# Allegro board 038NC-GRIFFI-V9A_16_20260429.brd

Outline 267.97 x 474.98 mm; copper layers: TOP, L02_GND, L03_SIGNAL, L04_GND, L05_SIGNAL, L06_GND, L07_SIGNAL, L08_GND, L09_PWR, L10_PWR, L11_GND, L12_PWR, L13_PWR, L14_GND, L15_USER, L16_CBIT, L17_GND, L18_PWR, L19_PWR, L20_GND, L21_PWR, L22_PWR, L23_GND, L24_SIGNAL, L25_GND, L26_SIGNAL, L27_GND, L28_SIGNAL, L29_GND, L30_SIGNAL, L31_GND, BOTTOM. Coordinates in mm from the lower left corner of the outline.

## Design rules (mm)
net group 10MILS: nets HDVI_726_10-CH6F HDVI_727_10-CH7F HDVI_734_10-CH14F HDVI_735_10-CH15F HDVI_742_10-CH22F HDVI_743_10-CH23F HDVI_758_10-CH38F HDVI_759_10-CH39F HDVI_766_10-CH46F HDVI_767_10-CH47F HDVI_774_10-CH54F HDVI_775_10-CH55F HDVI_782_10-CH62F HDVI_783_10-CH63F HDVI_790_10-CH70F HDVI_791_10-CH71F HDVI_942_13-CH6F HDVI_943_13-CH7F HDVI_950_13-CH14F HDVI_951_13-CH15F HDVI_958_13-CH22F HDVI_959_13-CH23F HDVI_974_13-CH38F HDVI_975_13-CH39F HDVI_982_13-CH46F HDVI_983_13-CH47F HDVI_990_13-CH54F HDVI_991_13-CH55F HDVI_998_13-CH62F HDVI_999_13-CH63F HDVI_1006_13-CH70F HDVI_1007_13-CH71F VI_578_8-CH2F VI_579_8-CH3F VI_580_8-CH4F VI_586_8-CH10F VI_587_8-CH11F VI_588_8-CH12F VI_594_8-CH18F VI_595_8-CH19F VI_596_8-CH20F VI_609_8-CH33F VI_610_8-CH34F VI_611_8-CH35F VI_612_8-CH36F VI_618_8-CH42F VI_619_8-CH43F VI_620_8-CH44F VI_626_8-CH50F VI_627_8-CH51F VI_628_8-CH52F VI_634_8-CH58F VI_635_8-CH59F VI_636_8-CH60F VI_642_8-CH66F VI_643_8-CH67F VI_644_8-CH68F VI_650_9-CH2F VI_652_9-CH4F VI_658_9-CH10F VI_660_9-CH12F VI_666_9-CH18F VI_668_9-CH20F VI_682_9-CH34F VI_683_9-CH35F VI_684_9-CH36F VI_690_9-CH42F VI_691_9-CH43F VI_692_9-CH44F VI_698_9-CH50F VI_699_9-CH51F VI_700_9-CH52F VI_706_9-CH58F VI_707_9-CH59F VI_714_9-CH66F VI_716_9-CH68F
net group CBIT: nets SDUCBIT15 SDUCBIT16 SDUCBIT31 SDUCBIT32 SDUCBIT47 SDUCBIT48 SDUCBIT63 SDUCBIT64 SDUCBIT79 SDUCBIT80 SDUCBIT95 SDUCBIT96 SDUCBIT111 SDUCBIT112 SDUCBIT127 SDUCBIT128

## Placement (name value [footprint] x y rotation side)
BC1  100U-50-E-S-6.6X6.6  [EC_6P3X7P7MM_S]  75.12 120.65 270 bottom
BC2  47U-100-E-S10X10-NI  [ECS_10X10MM_H10P5]  63.45 120.65 90 bottom
BC3  100U-50-E-S-6.6X6.6  [EC_6P3X7P7MM_S]  108.14 110.11 270 bottom
BC4  47U-100-E-S10X10-NI  [ECS_10X10MM_H10P5]  96.47 110.11 90 bottom
BC5  100U-50-E-S-6.6X6.6  [EC_6P3X7P7MM_S]  47.18 120.65 270 bottom
BC6  47U-100-E-S10X10-NI  [ECS_10X10MM_H10P5]  35.51 120.65 90 bottom
BC7  100U-50-E-S-6.6X6.6  [EC_6P3X7P7MM_S]  108.14 120.65 270 bottom
BC8  47U-100-E-S10X10-NI  [ECS_10X10MM_H10P5]  96.47 120.65 90 bottom
BC10  47U-100-E-S10X10-NI  [ECS_10X10MM_H10P5]  124.41 120.65 90 bottom
BC11  100U-50-E-S-6.6X6.6  [EC_6P3X7P7MM_S]  136.08 120.65 270 bottom
BC12  47U-100-E-S10X10-NI  [ECS_10X10MM_H10P5]  35.51 110.11 90 bottom
BC13  100U-50-E-S-6.6X6.6  [EC_6P3X7P7MM_S]  47.18 110.11 270 bottom
BD1  BD120-3.5A-S8-LA  [FB0805]  22.23 105.71 90 top
BD2  BD120-3.5A-S8-LA  [FB0805]  22.23 105.71 90 bottom
BR1  560-1-S6  [R0603]  71.76 110.03 270 bottom
BR2  560-1-S6  [R0603]  82.68 108.5 270 bottom
BR3  560-1-S6  [R0603]  27.31 124.25 270 bottom
BR4  1K-1-S6  [R0603]  17.15 124.25 270 bottom
C14  1U-16-X5R-S4-YA  [C0402]  126.4 112.15 90 bottom
C84  1U-16-X6S-S4-TY  [C0402]  56.49 106.51 180 bottom
C85  1U-16-X6S-S4-TY  [C0402]  56.49 103.28 180 bottom
C86  1U-16-X6S-S4-TY  [C0402]  56.49 104.88 180 bottom
C87  0.1U-10-X7R-S4-MU-1  [C0402]  58.62 104.91 0 bottom
C88  0.1U-10-X7R-S4-MU-1  [C0402]  58.62 103.28 0 bottom
C89  0.1U-10-X7R-S4-MU-1  [C0402]  56.49 101.68 180 bottom
C90  100P-50-X8R-S4-KEMET  [C0402]  58.62 101.68 0 bottom
C99  10U-35-T-SC  [CODE_C]  166.73 105.45 180 bottom
C100  10U-35-T-SC  [CODE_C]  179.71 105.04 180 bottom
C101  10U-35-T-SC  [CODE_C]  192.38 115.82 270 bottom
C102  1U-25-X7R-S6-WA  [C0603]  78.31 112.54 0 bottom
C103  1U-25-X7R-S6-WA  [C0603]  76.41 105.41 0 bottom
FD1  FD_040  [FD_040_V2]  17.15 105.41 0 top
FD2  FD_040  [FD_040_V2]  19.69 157.66 0 top
FD3  FD_040  [FD_040_V2]  19.69 320.62 0 top
FD4  FD_040  [FD_040_V2]  19.69 367.03 0 top
FD5  FD_040  [FD_040_V2]  248.29 367.03 0 top
FD6  FD_040  [FD_040_V2]  248.29 320.62 0 top
FD7  FD_040  [FD_040_V2]  248.29 157.66 0 top
FD8  FD_040  [FD_040_V2]  248.29 107.95 0 top
FD9  FD_040  [FD_040_V2]  17.15 105.41 180 bottom
FD10  FD_040  [FD_040_V2]  19.69 157.66 180 bottom
FD11  FD_040  [FD_040_V2]  19.69 320.62 180 bottom
FD12  FD_040  [FD_040_V2]  19.69 367.03 180 bottom
FD13  FD_040  [FD_040_V2]  248.29 367.03 180 bottom
FD14  FD_040  [FD_040_V2]  248.29 320.62 180 bottom
FD15  FD_040  [FD_040_V2]  248.29 157.66 180 bottom
FD16  FD_040  [FD_040_V2]  248.29 107.95 180 bottom
FUSE1  2920L200-2A-S7.98X5.44  [FUSE_2920_H45]  149.73 119.76 0 bottom
FUSE2  2920L200-2A-S7.98X5.44  [FUSE_2920_H45]  85.73 119.99 270 bottom
H1  M3-HOLE  [M3_NPTH169]  20.84 116.9 0 top
H2  M3-HOLE  [M3_NPTH169]  20.84 358.08 0 top
H3  M3-HOLE  [M3_NPTH169]  247.13 358.08 0 top
H4  M3-HOLE  [M3_NPTH169]  247.13 116.9 0 top
LOGO1  -  [LOGO_NC_NORDIC]  98.78 473.44 0 top
LOGO2  -  [LOGO_KT_KSMT]  217.98 104.48 0 top
M1  -  [PG_LTXDX_F_X1_OUTLINE_FULL_V2]  133.99 237.49 0 top
NOREF  -  []  87.79 209.51 0 top
NOREF#2  -  []  36 283.29 90 top
NOREF#3  -  []  14.99 221.49 90 top
NOREF#4  -  []  132.06 242.27 90 top
NOREF#5  -  []  102.06 230.38 90 top
NOREF#6  -  []  121.01 206.69 90 top
NOREF#7  -  []  144.63 116.76 0 top
NOREF#8  -  []  95.02 284.14 0 top
NOREF#9  -  []  38.86 301.68 90 top
NOREF#10  -  []  154.59 183.53 90 top
NOREF#11  -  []  63.19 457.2 0 top
NOREF#12  -  []  64.59 181.33 90 top
NOREF#13  -  []  109.67 332.66 90 top
NOREF#14  -  []  52.99 248.49 90 top
NOREF#15  -  []  241.39 165.7 90 top
NOREF#16  -  []  92.17 456.29 0 top
NOREF#17  -  []  89.29 267.51 45 top
NOREF#18  -  []  188.69 396.29 0 top
NOREF#19  -  []  25.97 179.68 90 top
NOREF#20  -  []  217.55 263.78 0 top
NOREF#21  -  []  147.79 209.51 0 top
NOREF#22  -  []  104.99 250.99 90 top
NOREF#23  -  []  36.61 138.32 90 top
NOREF#24  -  []  228.48 250.67 0 top
NOREF#25  -  []  64.59 242.27 90 top
NOREF#26  -  []  28.35 207.84 315 top
NOREF#27  -  []  64.59 230.38 90 top
NOREF#28  -  []  47.21 143.34 90 top
NOREF#29  -  []  15.07 251.52 0 top
NOREF#30  -  []  75.92 225.18 90 top
NOREF#31  -  []  140.74 275.74 0 top
NOREF#32  -  []  212.82 396.29 0 top
NOREF#33  -  []  122.16 115.65 0 top
NOREF#34  -  []  232.98 248.49 90 top
NOREF#35  -  []  108.48 174.1 0 top
NOREF#36  -  []  72.06 242.27 90 top
NOREF#37  -  []  143.93 225.98 0 top
NOREF#38  -  []  74.99 221.49 90 top
NOREF#39  -  []  42.06 284.94 90 top
NOREF#40  -  []  224.98 190.99 90 top
NOREF#41  -  []  222.06 165.7 90 top
NOREF#42  -  []  90.18 265.47 90 top
NOREF#43  -  []  82.73 114.89 0 top
NOREF#44  -  []  64.59 287.14 90 top
NOREF#45  -  []  121.39 292.54 0 top
NOREF#46  -  []  238.37 207.15 315 top
NOREF#47  -  []  143.93 231.38 90 top
NOREF#48  -  []  143.93 173.3 0 top
NOREF#49  -  []  166.47 288.14 90 top
NOREF#50  -  []  248.86 249.87 0 top
NOREF#51  -  []  206.96 208.69 0 top
NOREF#52  -  []  145.94 250.67 0 top
NOREF#53  -  []  194.98 221.49 90 top
NOREF#54  -  []  239.29 207.51 45 top
NOREF#55  -  []  166.47 225.98 0 top
NOREF#56  -  []  139.67 330.46 90 top
NOREF#57  -  []  154.64 389.27 90 top
NOREF#58  -  []  109.67 330.46 90 top
NOREF#59  -  []  214.59 185.73 90 top
NOREF#60  -  []  200.48 210.77 0 top
NOREF#61  -  []  135.15 107.82 90 top
NOREF#62  -  []  214.59 284.94 90 top
NOREF#63  -  []  158.86 301.68 90 top
NOREF#64  -  []  81.95 111.4 0 top
NOREF#65  -  []  38.39 193.49 45 top
NOREF#66  -  []  55.95 250.67 0 top
NOREF#67  -  []  214.59 287.14 90 top
NOREF#68  -  []  128.73 111.38 90 top
NOREF#69  -  []  117.13 303.88 90 top
NOREF#70  -  []  38.86 188.93 0 top
NOREF#71  -  []  166.47 229.18 90 top
NOREF#72  -  []  85.88 237.76 90 top
NOREF#73  -  []  112.99 188.49 90 top
NOREF#74  -  []  48.48 310.08 0 top
NOREF#75  -  []  198.36 240.62 90 top
NOREF#76  -  []  258.36 283.29 90 top
NOREF#77  -  []  188.86 292.54 0 top
NOREF#78  -  []  196.47 284.94 0 top
NOREF#79  -  []  86.96 208.69 0 top
NOREF#80  -  []  183.84 458.49 0 top
NOREF#81  -  []  221.4 296.54 90 top
NOREF#82  -  []  45.06 209.26 90 top
NOREF#83  -  []  190.47 111.76 90 top
NOREF#84  -  []  113.93 225.98 90 top
NOREF#85  -  []  194.98 193.49 90 top
NOREF#86  -  []  27.13 167.9 90 top
NOREF#87  -  []  55.88 237.76 90 top
NOREF#88  -  []  98.86 301.68 0 top
NOREF#89  -  []  28.53 300.03 90 top
NOREF#90  -  []  102.06 284.94 90 top
NOREF#91  -  []  244.59 289.34 90 top
NOREF#92  -  []  248.86 144.52 90 top
NOREF#93  -  []  41.02 174.1 0 top
NOREF#94  -  []  243.43 164.05 90 top
NOREF#95  -  []  31.4 292.54 0 top
NOREF#96  -  []  244.59 185.73 90 top
NOREF#97  -  []  113.93 284.94 90 top
NOREF#98  -  []  196.47 249.87 0 top
NOREF#99  -  []  105.06 203.86 0 top
NOREF#100  -  []  232.98 248.49 0 top
NOREF#101  -  []  149.39 269.51 0 top
NOREF#102  -  []  232.08 83.81 0 top
NOREF#103  -  []  196.47 304.88 90 top
NOREF#104  -  []  158.86 249.87 0 top
NOREF#105  -  []  38.86 139.12 90 top
NOREF#106  -  []  169.67 165.7 90 top
NOREF#107  -  []  29.15 164.9 90 top
NOREF#108  -  []  177.36 208.69 0 top
NOREF#109  -  []  177.63 268.84 0 top
NOREF#110  -  []  79.94 164.9 0 top
NOREF#111  -  []  136.47 284.94 0 top
NOREF#112  -  []  134.98 250.99 90 top
NOREF#113  -  []  23.93 225.98 0 top
NOREF#114  -  []  247.55 203.78 0 top
NOREF#115  -  []  196.47 225.98 0 top
NOREF#116  -  []  203.93 225.98 90 top
NOREF#117  -  []  55.95 293.34 0 top
NOREF#118  -  []  243.56 82.65 0 top
NOREF#119  -  []  121.39 233.58 0 top
NOREF#120  -  []  135.06 207.06 90 top
NOREF#121  -  []  23.93 290.34 90 top
NOREF#122  -  []  16.42 127.15 0 top
NOREF#123  -  []  85.94 234.38 0 top
NOREF#124  -  []  250.89 224.33 90 top
NOREF#125  -  []  82.99 286.49 0 top
NOREF#126  -  []  180.65 236.45 90 top
NOREF#127  -  []  115.97 240.62 90 top
NOREF#128  -  []  123.41 250.67 0 top
NOREF#129  -  []  151.39 301.68 0 top
NOREF#130  -  []  132.06 167.9 90 top
NOREF#131  -  []  119.29 207.51 45 top
NOREF#132  -  []  98.31 138.32 90 top
NOREF#133  -  []  113.93 249.87 0 top
NOREF#134  -  []  250.89 237.58 90 top
NOREF#135  -  []  43.9 18.69 0 top
NOREF#136  -  []  82.99 188.49 90 top
NOREF#137  -  []  158.31 300.88 90 top
NOREF#138  -  []  120.18 265.47 90 top
NOREF#139  -  []  226.47 301.68 0 top
NOREF#140  -  []  42.06 244.47 90 top
NOREF#141  -  []  147.36 268.69 0 top
NOREF#142  -  []  94.59 289.34 90 top
NOREF#143  -  []  161.4 298.06 90 top
NOREF#144  -  []  162.06 183.53 90 top
NOREF#145  -  []  252.06 170.1 90 top
NOREF#146  -  []  240.18 205.47 90 top
NOREF#147  -  []  153.43 300.03 90 top
NOREF#148  -  []  120.93 392.33 90 top
NOREF#149  -  []  124.59 230.38 90 top
NOREF#150  -  []  124.59 185.73 90 top
NOREF#151  -  []  162.06 185.73 90 top
NOREF#152  -  []  167.98 256.49 90 top
NOREF#153  -  []  244.59 244.47 90 top
NOREF#154  -  []  45.06 203.86 0 top
NOREF#155  -  []  41.4 295.64 90 top
NOREF#156  -  []  205.7 198.99 90 top
NOREF#157  -  []  128.66 177.76 90 top
NOREF#158  -  []  136.47 335.86 0 top
NOREF#159  -  []  167.98 196.49 90 top
NOREF#160  -  []  213.41 234.38 0 top
NOREF#161  -  []  211.39 188.93 0 top
NOREF#162  -  []  72.06 284.94 90 top
NOREF#163  -  []  147.13 183.53 90 top
NOREF#164  -  []  38.86 304.88 90 top
NOREF#165  -  []  240.67 176.51 90 top
NOREF#166  -  []  73.65 17.15 0 top
NOREF#167  -  []  173.93 225.98 90 top
NOREF#168  -  []  123.43 179.68 90 top
NOREF#169  -  []  76.47 225.98 0 top
NOREF#170  -  []  251.4 298.06 90 top
NOREF#171  -  []  137.98 256.49 90 top
NOREF#172  -  []  135.06 203.86 90 top
NOREF#173  -  []  188.69 456.29 90 top
NOREF#174  -  []  101.17 456.29 0 top
NOREF#175  -  []  181.39 249.87 0 top
NOREF#176  -  []  226.47 284.94 0 top
NOREF#177  -  []  205.88 237.76 90 top
NOREF#178  -  []  192.06 228.18 90 top
NOREF#179  -  []  121.16 295.41 90 top
NOREF#180  -  []  42.06 183.53 90 top
NOREF#181  -  []  183.41 234.38 0 top
NOREF#182  -  []  86.96 268.69 0 top
NOREF#183  -  []  218.39 253.49 45 top
NOREF#184  -  []  164.56 456.29 0 top
NOREF#185  -  []  165.06 209.26 90 top
NOREF#186  -  []  177.36 268.69 0 top
NOREF#187  -  []  207.36 208.69 0 top
NOREF#188  -  []  124.59 228.18 90 top
NOREF#189  -  []  111.43 16.49 0 top
NOREF#190  -  []  154.59 230.38 90 top
NOREF#191  -  []  233.93 288.14 90 top
NOREF#192  -  []  85.7 198.99 90 top
NOREF#193  -  []  188.39 253.49 45 top
NOREF#194  -  []  110.74 215.74 0 top
NOREF#195  -  []  53.93 225.98 90 top
NOREF#196  -  []  235.88 237.76 90 top
NOREF#197  -  []  228.48 174.1 0 top
NOREF#198  -  []  26.31 127.85 0 top
NOREF#199  -  []  203.93 229.18 90 top
NOREF#200  -  []  15.06 203.86 90 top
NOREF#201  -  []  91.4 188.93 0 top
NOREF#202  -  []  97.78 17.2 90 top
NOREF#203  -  []  183.41 293.34 0 top
NOREF#204  -  []  151.39 188.93 0 top
NOREF#205  -  []  23.93 188.93 0 top
NOREF#206  -  []  195.06 203.86 0 top
NOREF#207  -  []  183.43 179.68 90 top
NOREF#208  -  []  136.47 307.08 90 top
NOREF#209  -  []  91.01 206.69 90 top
NOREF#210  -  []  40.9 239.1 90 top
NOREF#211  -  []  183.41 250.67 0 top
NOREF#212  -  []  112.99 286.49 0 top
NOREF#213  -  []  42.06 167.9 90 top
NOREF#214  -  []  248.31 138.32 90 top
NOREF#215  -  []  208.65 266.87 45 top
NOREF#216  -  []  71.02 336.66 0 top
NOREF#217  -  []  102.06 165.7 90 top
NOREF#218  -  []  119.39 269.51 0 top
NOREF#219  -  []  16.47 301.68 0 top
NOREF#220  -  []  16.47 284.94 90 top
NOREF#221  -  []  106.47 301.68 90 top
NOREF#222  -  []  241.39 307.08 90 top
NOREF#223  -  []  250.89 240.62 90 top
NOREF#224  -  []  22.53 283.29 0 top
NOREF#225  -  []  53.93 288.14 90 top
NOREF#226  -  []  104.99 253.49 90 top
NOREF#227  -  []  192.06 165.7 90 top
NOREF#228  -  []  200.48 270.77 0 top
NOREF#229  -  []  29.15 164.9 0 top
NOREF#230  -  []  128.39 253.49 45 top
NOREF#231  -  []  210.18 205.47 90 top
NOREF#232  -  []  232.98 188.49 90 top
NOREF#233  -  []  170.48 210.77 0 top
NOREF#234  -  []  17.99 218.49 0 top
NOREF#235  -  []  176.71 106.64 0 top
NOREF#236  -  []  52.99 286.49 0 top
NOREF#237  -  []  22.53 251.52 0 top
NOREF#238  -  []  146.96 208.69 0 top
NOREF#239  -  []  22.53 310.93 0 top
NOREF#240  -  []  71.4 298.06 90 top
NOREF#241  -  []  76.47 225.98 90 top
NOREF#242  -  []  23.93 173.3 0 top
NOREF#243  -  []  68.86 304.88 90 top
NOREF#244  -  []  250.83 14.59 90 top
NOREF#245  -  []  38.86 292.54 0 top
NOREF#246  -  []  162.48 284.14 0 top
NOREF#247  -  []  175.64 106.94 0 top
NOREF#248  -  []  70.9 237.58 90 top
NOREF#249  -  []  166.47 284.94 90 top
NOREF#250  -  []  98.39 193.49 45 top
NOREF#251  -  []  136.47 290.34 90 top
NOREF#252  -  []  89.39 269.51 0 top
NOREF#253  -  []  236.94 18.69 0 top
NOREF#254  -  []  102.06 287.14 90 top
NOREF#255  -  []  203.93 188.93 0 top
NOREF#256  -  []  166.47 173.3 0 top
NOREF#257  -  []  187.55 203.78 0 top
NOREF#258  -  []  147.13 242.27 90 top
NOREF#259  -  []  63.41 189.73 0 top
NOREF#260  -  []  38.86 301.68 0 top
NOREF#261  -  []  110.48 270.77 0 top
NOREF#262  -  []  97.36 333.84 90 top
NOREF#263  -  []  142.98 226.49 0 top
NOREF#264  -  []  76.47 188.93 0 top
NOREF#265  -  []  181.16 295.41 90 top
NOREF#266  -  []  218.43 17.15 0 top
NOREF#267  -  []  199.67 181.33 90 top
NOREF#268  -  []  138.48 174.1 0 top
NOREF#269  -  []  151.67 18.69 90 top
NOREF#270  -  []  173.93 284.94 0 top
NOREF#271  -  []  214.59 244.47 90 top
NOREF#272  -  []  78.36 283.29 90 top
NOREF#273  -  []  241.39 304.88 90 top
NOREF#274  -  []  244.59 225.98 90 top
NOREF#275  -  []  218.86 304.88 90 top
NOREF#276  -  []  124.59 244.47 90 top
NOREF#277  -  []  35.02 300.88 0 top
NOREF#278  -  []  107.21 143.34 90 top
NOREF#279  -  []  139.67 181.33 90 top
NOREF#280  -  []  205.94 250.67 0 top
NOREF#281  -  []  164.98 193.49 90 top
NOREF#282  -  []  49.95 164.9 0 top
NOREF#283  -  []  258.36 240.62 90 top
NOREF#284  -  []  151.39 301.68 90 top
NOREF#285  -  []  71.03 110.73 90 top
NOREF#286  -  []  85.97 179.68 90 top
NOREF#287  -  []  128.86 173.3 0 top
NOREF#288  -  []  187.36 333.84 90 top
NOREF#289  -  []  37.46 251.52 0 top
NOREF#290  -  []  16.47 335.86 0 top
NOREF#291  -  []  42.06 181.33 90 top
NOREF#292  -  []  181.39 307.08 90 top
NOREF#293  -  []  26.58 124.95 90 top
NOREF#294  -  []  19.67 183.53 90 top
NOREF#295  -  []  250.89 179.68 90 top
NOREF#296  -  []  135.06 269.26 90 top
NOREF#297  -  []  131.4 298.06 90 top
NOREF#298  -  []  154.59 244.47 90 top
NOREF#299  -  []  43.91 456.29 90 top
NOREF#300  -  []  243.43 240.62 90 top
NOREF#301  -  []  30.19 205.86 90 top
NOREF#302  -  []  243.41 234.38 0 top
NOREF#303  -  []  38.51 115.65 0 top
NOREF#304  -  []  27.13 183.53 90 top
NOREF#305  -  []  75.06 269.26 90 top
NOREF#306  -  []  215.02 284.14 0 top
NOREF#307  -  []  58.65 206.87 45 top
NOREF#308  -  []  147.13 170.1 90 top
NOREF#309  -  []  77.03 18.69 0 top
NOREF#310  -  []  194.98 281.49 90 top
NOREF#311  -  []  211.39 301.68 0 top
NOREF#312  -  []  209.29 207.51 45 top
NOREF#313  -  []  81.68 107.67 90 top
NOREF#314  -  []  63.61 263.06 0 top
NOREF#315  -  []  61.01 266.29 90 top
NOREF#316  -  []  228.36 164.05 90 top
NOREF#317  -  []  175.94 250.67 0 top
NOREF#318  -  []  240.65 236.45 90 top
NOREF#319  -  []  192.06 287.14 90 top
NOREF#320  -  []  63.43 240.62 90 top
NOREF#321  -  []  58.35 267.84 45 top
NOREF#322  -  []  57.36 268.69 0 top
NOREF#323  -  []  134.98 221.49 90 top
NOREF#324  -  []  188.86 249.87 0 top
NOREF#325  -  []  248.86 188.93 0 top
NOREF#326  -  []  63.43 300.03 90 top
NOREF#327  -  []  57.13 301.68 90 top
NOREF#328  -  []  27.13 181.33 90 top
NOREF#329  -  []  25.7 258.99 90 top
NOREF#330  -  []  60.19 205.47 90 top
NOREF#331  -  []  151.01 206.69 90 top
NOREF#332  -  []  106.47 288.14 90 top
NOREF#333  -  []  160.89 283.29 90 top
NOREF#334  -  []  68.86 188.93 0 top
NOREF#335  -  []  106.47 225.98 90 top
NOREF#336  -  []  172.98 248.49 0 top
NOREF#337  -  []  96.8 392.33 90 top
NOREF#338  -  []  140.48 270.77 0 top
NOREF#339  -  []  102.48 225.18 0 top
NOREF#340  -  []  76.47 173.3 0 top
NOREF#341  -  []  173.93 173.3 0 top
NOREF#342  -  []  149.32 208.11 315 top
NOREF#343  -  []  61.4 307.08 90 top
NOREF#344  -  []  106.47 304.88 90 top
NOREF#345  -  []  109.67 167.9 90 top
NOREF#346  -  []  196.47 301.68 0 top
NOREF#347  -  []  235.97 240.62 90 top
NOREF#348  -  []  60.84 300.88 90 top
NOREF#349  -  []  82.99 248.49 90 top
NOREF#350  -  []  209.29 267.51 45 top
NOREF#351  -  []  197.98 196.49 90 top
NOREF#352  -  []  222.06 246.67 90 top
NOREF#353  -  []  170.17 17.15 0 top
NOREF#354  -  []  106.47 229.18 90 top
NOREF#355  -  []  25.95 234.38 0 top
NOREF#356  -  []  207.13 303.88 90 top
NOREF#357  -  []  195.06 203.86 90 top
NOREF#358  -  []  158.66 177.76 90 top
NOREF#359  -  []  16.47 284.94 0 top
NOREF#360  -  []  81.53 76.69 90 top
NOREF#361  -  []  120.26 120.65 0 top
NOREF#362  -  []  76.47 290.34 90 top
NOREF#363  -  []  117.13 244.47 90 top
NOREF#364  -  []  177.41 300.88 0 top
NOREF#365  -  []  207.13 246.67 90 top
NOREF#366  -  []  85.94 189.73 0 top
NOREF#367  -  []  154.83 116.76 90 top
NOREF#368  -  []  207.78 209.51 0 top
NOREF#369  -  []  134.98 253.49 90 top
NOREF#370  -  []  224.98 221.49 90 top
NOREF#371  -  []  134.51 203.06 90 top
NOREF#372  -  []  183.43 164.05 90 top
NOREF#373  -  []  225.92 225.18 90 top
NOREF#374  -  []  237.13 301.68 90 top
NOREF#375  -  []  42.06 246.67 90 top
NOREF#376  -  []  102.06 242.27 90 top
NOREF#377  -  []  225.06 209.26 90 top
NOREF#378  -  []  79.67 242.27 90 top
NOREF#379  -  []  136.47 284.94 90 top
NOREF#380  -  []  177.13 165.7 90 top
NOREF#381  -  []  172.76 106.73 0 top
NOREF#382  -  []  248.86 139.12 90 top
NOREF#383  -  []  143.93 288.14 90 top
NOREF#384  -  []  238.35 267.84 45 top
NOREF#385  -  []  175.7 258.99 90 top
NOREF#386  -  []  207.13 183.53 90 top
NOREF#387  -  []  123.41 293.34 0 top
NOREF#388  -  []  145.94 234.38 0 top
NOREF#389  -  []  147.63 268.84 0 top
NOREF#390  -  []  148.65 266.87 45 top
NOREF#391  -  []  34.6 244.47 90 top
NOREF#392  -  []  207.63 208.84 0 top
NOREF#393  -  []  21.07 326.61 90 top
NOREF#394  -  []  235.94 293.34 0 top
NOREF#395  -  []  37.46 300.03 90 top
NOREF#396  -  []  88.35 207.84 315 top
NOREF#397  -  []  161.02 189.73 0 top
NOREF#398  -  []  30.19 265.86 90 top
NOREF#399  -  []  243.43 179.68 90 top
NOREF#400  -  []  130.9 237.58 90 top
NOREF#401  -  []  47.99 196.49 90 top
NOREF#402  -  []  31.01 266.69 90 top
NOREF#403  -  []  157.23 259.24 90 top
NOREF#404  -  []  98.86 249.87 0 top
NOREF#405  -  []  91.4 165.7 90 top
NOREF#406  -  []  55.95 189.73 0 top
NOREF#407  -  []  97.24 199.24 90 top
NOREF#408  -  []  105.06 209.26 90 top
NOREF#409  -  []  121.39 307.08 90 top
NOREF#410  -  []  31.02 18.69 90 top
NOREF#411  -  []  61.01 266.69 90 top
NOREF#412  -  []  46.47 284.94 90 top
NOREF#413  -  []  218.86 233.58 0 top
NOREF#414  -  []  36.61 138.32 0 top
NOREF#415  -  []  240.18 265.47 90 top
NOREF#416  -  []  127.41 115.65 0 top
NOREF#417  -  []  188.86 233.58 0 top
NOREF#418  -  []  196.47 231.38 90 top
NOREF#419  -  []  208.35 207.84 45 top
NOREF#420  -  []  177.13 306.08 90 top
NOREF#421  -  []  106.47 249.87 0 top
NOREF#422  -  []  31.4 307.08 90 top
NOREF#423  -  []  50.74 275.74 0 top
NOREF#424  -  []  178.35 207.84 45 top
NOREF#425  -  []  25.95 189.73 0 top
NOREF#426  -  []  153.41 189.73 0 top
NOREF#427  -  []  178.44 14.59 90 top
NOREF#428  -  []  47.99 218.49 0 top
NOREF#429  -  []  105.06 207.06 90 top
NOREF#430  -  []  196.47 188.93 0 top
NOREF#431  -  []  218.86 142.32 90 top
NOREF#432  -  []  219.43 82.65 0 top
NOREF#433  -  []  78.48 250.67 0 top
NOREF#434  -  []  91.4 304.88 90 top
NOREF#435  -  []  213.41 174.1 0 top
NOREF#436  -  []  149.32 268.11 315 top
NOREF#437  -  []  136.47 225.98 90 top
NOREF#438  -  []  237.13 303.88 90 top
NOREF#439  -  []  164.98 253.49 90 top
NOREF#440  -  []  97.55 263.78 0 top
NOREF#441  -  []  211.39 171.1 90 top
NOREF#442  -  []  46.47 225.98 0 top
NOREF#443  -  []  148.37 267.15 315 top
NOREF#444  -  []  160.89 179.68 90 top
NOREF#445  -  []  23.93 309.28 0 top
NOREF#446  -  []  177.13 301.68 90 top
NOREF#447  -  []  208.35 267.84 315 top
NOREF#448  -  []  15.07 283.29 0 top
NOREF#449  -  []  42.06 225.98 90 top
NOREF#450  -  []  128.86 307.08 90 top
NOREF#451  -  []  108.36 240.62 90 top
NOREF#452  -  []  104.99 221.49 90 top
NOREF#453  -  []  132.06 165.7 90 top
NOREF#454  -  []  26.56 179.68 90 top
NOREF#455  -  []  4.17 164.05 90 top
NOREF#456  -  []  237.13 181.33 90 top
NOREF#457  -  []  20.22 174.1 0 top
NOREF#458  -  []  98.86 142.32 90 top
NOREF#459  -  []  194.98 221.49 90 top
NOREF#460  -  []  71.82 117.35 90 top
NOREF#461  -  []  124.59 242.27 90 top
NOREF#462  -  []  147.36 208.69 0 top
NOREF#463  -  []  117.41 300.88 0 top
NOREF#464  -  []  170.48 270.77 0 top
NOREF#465  -  []  53.93 173.3 0 top
NOREF#466  -  []  90.18 205.47 90 top
NOREF#467  -  []  52.99 188.49 0 top
NOREF#468  -  []  98.86 139.12 90 top
NOREF#469  -  []  240.33 206.14 90 top
NOREF#470  -  []  22.99 226.49 0 top
NOREF#471  -  []  183.43 300.03 90 top
NOREF#472  -  []  25.7 198.99 90 top
NOREF#473  -  []  64.59 244.47 90 top
NOREF#474  -  []  220.89 283.29 90 top
NOREF#475  -  []  81.95 109.2 90 top
NOREF#476  -  []  116.3 456.29 90 top
NOREF#477  -  []  42.61 234.38 0 top
NOREF#478  -  []  158.39 253.49 45 top
NOREF#479  -  []  74.99 193.49 90 top
NOREF#480  -  []  75.06 267.06 90 top
NOREF#481  -  []  76.47 229.18 90 top
NOREF#482  -  []  74.51 263.06 90 top
NOREF#483  -  []  162.06 228.18 90 top
NOREF#484  -  []  211.16 295.41 90 top
NOREF#485  -  []  83.93 284.94 90 top
NOREF#486  -  []  229.67 244.47 90 top
NOREF#487  -  []  87.41 300.88 0 top
NOREF#488  -  []  210.33 206.14 90 top
NOREF#489  -  []  102.06 289.34 90 top
NOREF#490  -  []  237.63 268.84 0 top
NOREF#491  -  []  29.29 267.51 45 top
NOREF#492  -  []  45.06 263.86 90 top
NOREF#493  -  []  45.92 300.88 90 top
NOREF#494  -  []  168.48 310.08 0 top
NOREF#495  -  []  203.93 225.98 0 top
NOREF#496  -  []  101.4 296.54 90 top
NOREF#497  -  []  116.96 268.69 0 top
NOREF#498  -  []  67.36 333.84 90 top
NOREF#499  -  []  190.89 179.68 90 top
NOREF#500  -  []  138.36 164.05 90 top
NOREF#501  -  []  210.18 265.47 90 top
NOREF#502  -  []  28.65 206.87 45 top
NOREF#503  -  []  151.39 168.9 90 top
NOREF#504  -  []  163.73 107.06 0 top
NOREF#505  -  []  178.37 267.15 315 top
NOREF#506  -  []  169.94 164.9 0 top
NOREF#507  -  []  128.86 142.32 90 top
NOREF#508  -  []  82.99 248.49 0 top
NOREF#509  -  []  228.36 179.68 90 top
NOREF#510  -  []  30 251.52 0 top
NOREF#511  -  []  244.59 230.38 90 top
NOREF#512  -  []  225.06 203.86 0 top
NOREF#513  -  []  205.94 234.38 0 top
NOREF#514  -  []  177.41 138.32 0 top
NOREF#515  -  []  195.92 300.88 90 top
NOREF#516  -  []  177.13 183.53 90 top
NOREF#517  -  []  168.36 179.68 90 top
NOREF#518  -  []  57.13 242.27 90 top
NOREF#519  -  []  198.36 179.68 90 top
NOREF#520  -  []  97.55 203.78 0 top
NOREF#521  -  []  208.37 267.15 315 top
NOREF#522  -  []  93.43 179.68 90 top
NOREF#523  -  []  124.59 284.94 90 top
NOREF#524  -  []  85.97 164.05 90 top
NOREF#525  -  []  136.47 288.14 90 top
NOREF#526  -  []  72.06 185.73 90 top
NOREF#527  -  []  40.9 179.68 90 top
NOREF#528  -  []  27.13 306.08 90 top
NOREF#529  -  []  230.73 215.74 0 top
NOREF#530  -  []  34.6 225.98 90 top
NOREF#531  -  []  75.92 284.14 90 top
NOREF#532  -  []  208.65 206.87 45 top
NOREF#533  -  []  155.02 225.18 0 top
NOREF#534  -  []  43.91 396.29 0 top
NOREF#535  -  []  15.07 300.03 0 top
NOREF#536  -  []  177.17 105.04 0 top
NOREF#537  -  []  92.32 110.11 0 top
NOREF#538  -  []  59.29 207.51 45 top
NOREF#539  -  []  28.35 267.84 315 top
NOREF#540  -  []  136.47 225.98 0 top
NOREF#541  -  []  57.13 165.7 90 top
NOREF#542  -  []  153.43 164.05 90 top
NOREF#543  -  []  60.65 236.45 90 top
NOREF#544  -  []  68.86 233.58 0 top
NOREF#545  -  []  57.41 138.32 0 top
NOREF#546  -  []  45.06 203.86 90 top
NOREF#547  -  []  199.67 183.53 90 top
NOREF#548  -  []  14.51 203.06 90 top
NOREF#549  -  []  163.73 103.85 90 top
NOREF#550  -  []  192.06 246.67 90 top
NOREF#551  -  []  48.48 250.67 0 top
NOREF#552  -  []  139.67 244.47 90 top
NOREF#553  -  []  252.06 289.34 90 top
NOREF#554  -  []  199.94 164.9 0 top
NOREF#555  -  []  197.98 256.49 90 top
NOREF#556  -  []  119.41 115.65 90 top
NOREF#557  -  []  158.86 188.93 0 top
NOREF#558  -  []  109.94 300.88 0 top
NOREF#559  -  []  239.32 208.11 315 top
NOREF#560  -  []  151.16 295.41 90 top
NOREF#561  -  []  165.06 263.86 0 top
NOREF#562  -  []  244.59 228.18 90 top
NOREF#563  -  []  57.82 106.54 0 top
NOREF#564  -  []  49.67 167.9 90 top
NOREF#565  -  []  130.89 240.62 90 top
NOREF#566  -  []  100.9 239.1 90 top
NOREF#567  -  []  188.86 142.32 90 top
NOREF#568  -  []  72.67 392.33 90 top
NOREF#569  -  []  28.37 267.15 315 top
NOREF#570  -  []  177.13 170.1 90 top
NOREF#571  -  []  165.06 203.86 90 top
NOREF#572  -  []  116.29 18.69 0 top
NOREF#573  -  []  75.92 300.88 90 top
NOREF#574  -  []  27.13 242.27 90 top
NOREF#575  -  []  181.39 165.7 90 top
NOREF#576  -  []  116.29 20.69 90 top
NOREF#577  -  []  138.48 310.08 0 top
NOREF#578  -  []  172.98 188.49 90 top
NOREF#579  -  []  79.29 454.29 90 top
NOREF#580  -  []  22.53 283.29 90 top
NOREF#581  -  []  148.65 206.87 45 top
NOREF#582  -  []  63.41 250.67 0 top
NOREF#583  -  []  72.34 120.65 0 top
NOREF#584  -  []  240.18 265.86 90 top
NOREF#585  -  []  79.67 167.9 90 top
NOREF#586  -  []  128.86 249.87 0 top
NOREF#587  -  []  140.43 456.29 90 top
NOREF#588  -  []  169.67 170.1 90 top
NOREF#589  -  []  76.47 307.08 90 top
NOREF#590  -  []  218.86 188.93 0 top
NOREF#591  -  []  21.68 225.18 0 top
NOREF#592  -  []  188.86 304.88 90 top
NOREF#593  -  []  106.47 188.93 0 top
NOREF#594  -  []  221.02 174.1 0 top
NOREF#595  -  []  132.06 170.1 90 top
NOREF#596  -  []  164.98 190.99 90 top
NOREF#597  -  []  110.74 275.74 0 top
NOREF#598  -  []  40.9 224.33 90 top
NOREF#599  -  []  43.9 20.69 90 top
NOREF#600  -  []  98.86 233.58 0 top
NOREF#601  -  []  90.84 300.88 90 top
NOREF#602  -  []  167.98 218.49 0 top
NOREF#603  -  []  200.73 275.74 0 top
NOREF#604  -  []  248.86 139.12 0 top
NOREF#605  -  []  140.48 210.77 0 top
NOREF#606  -  []  70.89 240.62 90 top
NOREF#607  -  []  23.93 231.38 90 top
NOREF#608  -  []  191.02 336.66 0 top
NOREF#609  -  []  82.99 188.49 0 top
NOREF#610  -  []  153.41 250.67 0 top
NOREF#611  -  []  199.67 165.7 90 top
NOREF#612  -  []  17.99 196.49 90 top
NOREF#613  -  []  44.99 250.99 90 top
NOREF#614  -  []  76.47 231.38 90 top
NOREF#615  -  []  222.06 181.33 90 top
NOREF#616  -  []  233.38 284.14 90 top
NOREF#617  -  []  115.94 189.73 0 top
NOREF#618  -  []  237.63 208.84 0 top
NOREF#619  -  []  57.13 183.53 90 top
NOREF#620  -  []  151.39 233.58 0 top
NOREF#621  -  []  222.06 167.9 90 top
NOREF#622  -  []  158.86 304.88 90 top
NOREF#623  -  []  58.65 266.87 45 top
NOREF#624  -  []  135.92 225.18 90 top
NOREF#625  -  []  157.36 333.84 90 top
NOREF#626  -  []  108.36 283.29 90 top
NOREF#627  -  []  128.86 233.58 0 top
NOREF#628  -  []  153.61 203.06 0 top
NOREF#629  -  []  117.13 242.27 90 top
NOREF#630  -  []  196.47 225.98 90 top
NOREF#631  -  []  222.06 244.47 90 top
NOREF#632  -  []  142.98 188.49 0 top
NOREF#633  -  []  44.99 193.49 90 top
NOREF#634  -  []  158.86 142.32 90 top
NOREF#635  -  []  181.39 188.93 0 top
NOREF#636  -  []  26.56 164.05 90 top
NOREF#637  -  []  138.36 283.29 90 top
NOREF#638  -  []  102.06 167.9 90 top
NOREF#639  -  []  134.98 190.99 90 top
NOREF#640  -  []  195.92 225.18 90 top
NOREF#641  -  []  61.4 249.87 0 top
NOREF#642  -  []  60.19 205.86 90 top
NOREF#643  -  []  187.23 259.24 90 top
NOREF#644  -  []  190.47 111.76 0 top
NOREF#645  -  []  58.1 14.59 90 top
NOREF#646  -  []  194.98 281.49 90 top
NOREF#647  -  []  154.59 181.33 90 top
NOREF#648  -  []  89.32 268.11 315 top
NOREF#649  -  []  64.59 228.18 90 top
NOREF#650  -  []  78.36 164.05 90 top
NOREF#651  -  []  139.67 185.73 90 top
NOREF#652  -  []  184.59 185.73 90 top
NOREF#653  -  []  176.71 103.44 90 top
NOREF#654  -  []  68.04 396.29 0 top
NOREF#655  -  []  181.01 206.29 90 top
NOREF#656  -  []  185.02 284.14 0 top
NOREF#657  -  []  164.98 281.49 90 top
NOREF#658  -  []  19.67 165.7 90 top
NOREF#659  -  []  135.56 82.55 0 top
NOREF#660  -  []  71.02 189.73 0 top
NOREF#661  -  []  207.13 170.1 90 top
NOREF#662  -  []  15.06 263.86 0 top
NOREF#663  -  []  79.67 244.47 90 top
NOREF#664  -  []  102.06 246.67 90 top
NOREF#665  -  []  132.06 230.38 90 top
NOREF#666  -  []  68.86 173.3 0 top
NOREF#667  -  []  180.84 164.9 90 top
NOREF#668  -  []  97.24 259.24 90 top
NOREF#669  -  []  190.89 283.29 90 top
NOREF#670  -  []  80.74 275.74 0 top
NOREF#671  -  []  111.45 458.49 0 top
NOREF#672  -  []  169.67 244.47 90 top
NOREF#673  -  []  247.23 199.24 90 top
NOREF#674  -  []  42.48 284.14 0 top
NOREF#675  -  []  211.39 168.9 90 top
NOREF#676  -  []  68.86 142.32 90 top
NOREF#677  -  []  258.36 179.68 90 top
NOREF#678  -  []  197.69 456.29 0 top
NOREF#679  -  []  14.91 16.49 0 top
NOREF#680  -  []  179.29 267.51 45 top
NOREF#681  -  []  87.13 181.33 90 top
NOREF#682  -  []  240.84 164.9 90 top
NOREF#683  -  []  150.67 176.51 90 top
NOREF#684  -  []  161.02 336.66 0 top
NOREF#685  -  []  210.65 236.45 90 top
NOREF#686  -  []  19.67 185.73 90 top
NOREF#687  -  []  68.04 456.29 0 top
NOREF#688  -  []  238.37 267.15 315 top
NOREF#689  -  []  233.93 249.87 0 top
NOREF#690  -  []  227.21 143.34 90 top
NOREF#691  -  []  173.93 309.28 0 top
NOREF#692  -  []  188.86 139.12 90 top
NOREF#693  -  []  19.67 181.33 90 top
NOREF#694  -  []  102.06 181.33 90 top
NOREF#695  -  []  79.67 246.67 90 top
NOREF#696  -  []  68.31 300.88 90 top
NOREF#697  -  []  143.93 309.28 0 top
NOREF#698  -  []  148.37 207.15 315 top
NOREF#699  -  []  85.94 250.67 0 top
NOREF#700  -  []  145.7 198.99 90 top
NOREF#701  -  []  229.94 300.88 0 top
NOREF#702  -  []  225.92 300.88 90 top
NOREF#703  -  []  61.4 304.88 90 top
NOREF#704  -  []  222.06 183.53 90 top
NOREF#705  -  []  106.47 301.68 0 top
NOREF#706  -  []  128.86 304.88 90 top
NOREF#707  -  []  68.04 456.29 90 top
NOREF#708  -  []  194.51 203.06 90 top
NOREF#709  -  []  53.93 229.18 90 top
NOREF#710  -  []  169.67 181.33 90 top
NOREF#711  -  []  124.59 246.67 90 top
NOREF#712  -  []  237.78 269.51 0 top
NOREF#713  -  []  188.86 188.93 0 top
NOREF#714  -  []  241.39 168.9 90 top
NOREF#715  -  []  148.35 267.84 315 top
NOREF#716  -  []  224.98 283.99 0 top
NOREF#717  -  []  133.01 240.57 90 top
NOREF#718  -  []  79.67 185.73 90 top
NOREF#719  -  []  46.47 249.87 0 top
NOREF#720  -  []  132.06 185.73 90 top
NOREF#721  -  []  142.98 286.49 0 top
NOREF#722  -  []  46.47 290.34 90 top
NOREF#723  -  []  233.93 284.94 0 top
NOREF#724  -  []  188.86 307.08 90 top
NOREF#725  -  []  232.98 286.49 0 top
NOREF#726  -  []  22.99 248.49 90 top
NOREF#727  -  []  134.98 221.49 90 top
NOREF#728  -  []  227.98 218.49 0 top
NOREF#729  -  []  72.48 225.18 0 top
NOREF#730  -  []  224.98 221.49 90 top
NOREF#731  -  []  170.17 17.15 90 top
NOREF#732  -  []  23.93 284.94 0 top
NOREF#733  -  []  27.68 174.1 0 top
NOREF#734  -  []  38.66 177.76 90 top
NOREF#735  -  []  132.06 244.47 90 top
NOREF#736  -  []  175.97 240.62 90 top
NOREF#737  -  []  76.47 249.87 0 top
NOREF#738  -  []  143.38 284.14 90 top
NOREF#739  -  []  184.59 242.27 90 top
NOREF#740  -  []  123.61 203.06 0 top
NOREF#741  -  []  91.47 115.65 90 top
NOREF#742  -  []  158.86 144.52 90 top
NOREF#743  -  []  125.02 225.18 0 top
NOREF#744  -  []  177.13 181.33 90 top
NOREF#745  -  []  222.06 287.14 90 top
NOREF#746  -  []  16.47 231.38 90 top
NOREF#747  -  []  165.06 269.26 90 top
NOREF#748  -  []  108.36 224.33 90 top
NOREF#749  -  []  28.37 207.15 315 top
NOREF#750  -  []  147.13 165.7 90 top
NOREF#751  -  []  59.39 209.51 0 top
NOREF#752  -  []  30.19 205.47 90 top
NOREF#753  -  []  77.99 218.49 0 top
NOREF#754  -  []  46.47 229.18 90 top
NOREF#755  -  []  224.51 263.06 90 top
NOREF#756  -  []  135.06 263.86 0 top
NOREF#757  -  []  65.02 225.18 0 top
NOREF#758  -  []  192.06 181.33 90 top
NOREF#759  -  []  211.39 165.7 0 top
NOREF#760  -  []  87.13 183.53 90 top
NOREF#761  -  []  45.06 207.06 90 top
NOREF#762  -  []  227.98 256.49 90 top
NOREF#763  -  []  92.17 396.29 0 top
NOREF#764  -  []  105.06 263.86 0 top
NOREF#765  -  []  205.97 326.61 90 top
NOREF#766  -  []  104.99 281.49 90 top
NOREF#767  -  []  177.13 185.73 90 top
NOREF#768  -  []  76.47 301.68 90 top
NOREF#769  -  []  194.98 223.99 0 top
NOREF#770  -  []  244.59 287.14 90 top
NOREF#771  -  []  64.59 284.94 90 top
NOREF#772  -  []  22.99 286.49 0 top
NOREF#773  -  []  194.98 253.49 90 top
NOREF#774  -  []  57.79 269.51 0 top
NOREF#775  -  []  157.23 199.24 90 top
NOREF#776  -  []  207.13 167.9 90 top
NOREF#777  -  []  160.89 240.62 90 top
NOREF#778  -  []  50.49 210.77 0 top
NOREF#779  -  []  143.93 188.93 0 top
NOREF#780  -  []  117.13 167.9 90 top
NOREF#781  -  []  88.35 207.84 45 top
NOREF#782  -  []  41.02 189.73 0 top
NOREF#783  -  []  210.84 164.9 90 top
NOREF#784  -  []  207.13 185.73 90 top
NOREF#785  -  []  87.41 138.32 0 top
NOREF#786  -  []  191.02 189.73 0 top
NOREF#787  -  []  113.93 229.18 90 top
NOREF#788  -  []  153.61 263.06 0 top
NOREF#789  -  []  46.47 304.88 90 top
NOREF#790  -  []  27.13 301.68 90 top
NOREF#791  -  []  225.06 207.06 90 top
NOREF#792  -  []  38.39 253.49 45 top
NOREF#793  -  []  118.35 207.84 315 top
NOREF#794  -  []  228.48 189.73 0 top
NOREF#795  -  []  147.04 82.65 0 top
NOREF#796  -  []  130.9 239.1 90 top
NOREF#797  -  []  68.31 138.32 90 top
NOREF#798  -  []  53.93 225.98 0 top
NOREF#799  -  []  26.56 224.33 90 top
NOREF#800  -  []  120.65 236.45 90 top
NOREF#801  -  []  191.4 298.06 90 top
NOREF#802  -  []  235.94 189.73 0 top
NOREF#803  -  []  87.36 268.69 0 top
NOREF#804  -  []  175.81 454.29 90 top
NOREF#805  -  []  210.18 205.86 90 top
NOREF#806  -  []  29.32 208.11 315 top
NOREF#807  -  []  145.7 258.99 90 top
NOREF#808  -  []  177.63 208.84 0 top
NOREF#809  -  []  229.67 183.53 90 top
NOREF#810  -  []  127.23 199.24 90 top
NOREF#811  -  []  169.67 242.27 90 top
NOREF#812  -  []  102.06 185.73 90 top
NOREF#813  -  []  210.84 300.88 90 top
NOREF#814  -  []  239.32 268.11 315 top
NOREF#815  -  []  74.99 190.99 90 top
NOREF#816  -  []  218.86 139.12 90 top
NOREF#817  -  []  109.67 246.67 90 top
NOREF#818  -  []  139.67 165.7 90 top
NOREF#819  -  []  229.67 332.66 90 top
NOREF#820  -  []  237.36 208.69 0 top
NOREF#821  -  []  37.36 333.84 90 top
NOREF#822  -  []  210.67 176.51 90 top
NOREF#823  -  []  121.01 266.29 90 top
NOREF#824  -  []  44.4 110.11 0 top
NOREF#825  -  []  72.48 284.14 0 top
NOREF#826  -  []  181.01 266.69 90 top
NOREF#827  -  []  252.06 230.38 90 top
NOREF#828  -  []  151.01 266.69 90 top
NOREF#829  -  []  140.74 215.74 0 top
NOREF#830  -  []  232.1 458.49 0 top
NOREF#831  -  []  27.13 246.67 90 top
NOREF#832  -  []  113.93 173.3 0 top
NOREF#833  -  []  58.12 108.17 0 top
NOREF#834  -  []  158.86 233.58 0 top
NOREF#835  -  []  138.48 189.73 0 top
NOREF#836  -  []  99.47 105.11 0 top
NOREF#837  -  []  179.32 268.11 315 top
NOREF#838  -  []  148.35 207.84 315 top
NOREF#839  -  []  53.93 231.38 90 top
NOREF#840  -  []  198.48 189.73 0 top
NOREF#841  -  []  222.06 170.1 90 top
NOREF#842  -  []  59.32 268.11 315 top
NOREF#843  -  []  38.86 139.12 0 top
NOREF#844  -  []  180.18 205.86 90 top
NOREF#845  -  []  162.06 284.94 90 top
NOREF#846  -  []  68.86 307.08 90 top
NOREF#847  -  []  178.35 207.84 315 top
NOREF#848  -  []  162.66 103.55 90 top
NOREF#849  -  []  229.67 170.1 90 top
NOREF#850  -  []  43.46 240.62 90 top
NOREF#851  -  []  229.94 164.9 0 top
NOREF#852  -  []  177.79 269.51 0 top
NOREF#853  -  []  233.93 225.98 0 top
NOREF#854  -  []  140.43 456.29 0 top
NOREF#855  -  []  214.59 183.53 90 top
NOREF#856  -  []  130.49 14.59 90 top
NOREF#857  -  []  166.47 231.38 90 top
NOREF#858  -  []  218.66 177.76 90 top
NOREF#859  -  []  31.4 165.7 90 top
NOREF#860  -  []  143.93 225.98 90 top
NOREF#861  -  []  136.47 301.68 0 top
NOREF#862  -  []  118.35 267.84 45 top
NOREF#863  -  []  50.52 82.65 0 top
NOREF#864  -  []  16.42 124.95 90 top
NOREF#865  -  []  252.06 284.94 90 top
NOREF#866  -  []  43.88 117.35 90 top
NOREF#867  -  []  104.99 221.49 90 top
NOREF#868  -  []  229.67 246.67 90 top
NOREF#869  -  []  117.36 208.69 0 top
NOREF#870  -  []  102.06 183.53 90 top
NOREF#871  -  []  106.47 284.94 90 top
NOREF#872  -  []  30.51 115.65 90 top
NOREF#873  -  []  199.67 330.46 90 top
NOREF#874  -  []  150.18 205.47 90 top
NOREF#875  -  []  132.06 183.53 90 top
NOREF#876  -  []  113.38 225.18 90 top
NOREF#877  -  []  83.93 290.34 90 top
NOREF#878  -  []  63.41 293.34 0 top
NOREF#879  -  []  25.39 17.15 90 top
NOREF#880  -  []  74.99 281.49 90 top
NOREF#881  -  []  19.78 396.29 0 top
NOREF#882  -  []  59.3 120.65 0 top
NOREF#883  -  []  225.06 263.86 0 top
NOREF#884  -  []  168.48 250.67 0 top
NOREF#885  -  []  172.98 188.49 0 top
NOREF#886  -  []  157.55 263.78 0 top
NOREF#887  -  []  230.73 275.74 0 top
NOREF#888  -  []  79.67 330.46 90 top
NOREF#889  -  []  248.86 292.54 0 top
NOREF#890  -  []  135.06 203.86 0 top
NOREF#891  -  []  233.93 309.28 0 top
NOREF#892  -  []  181.39 171.1 90 top
NOREF#893  -  []  47.99 256.49 90 top
NOREF#894  -  []  14.99 223.99 0 top
NOREF#895  -  []  106.36 14.59 90 top
NOREF#896  -  []  237.13 185.73 90 top
NOREF#897  -  []  44.99 281.49 90 top
NOREF#898  -  []  79.67 165.7 90 top
NOREF#899  -  []  16.47 304.88 90 top
NOREF#900  -  []  15.07 337.51 0 top
NOREF#901  -  []  172.98 248.49 90 top
NOREF#902  -  []  187.55 263.78 0 top
NOREF#903  -  []  0 474.98 0 top
NOREF#904  -  []  226.47 225.98 0 top
NOREF#905  -  []  94.59 230.38 90 top
NOREF#906  -  []  121.01 266.69 90 top
NOREF#907  -  []  226.47 335.86 0 top
NOREF#908  -  []  158.31 138.32 90 top
NOREF#909  -  []  57.13 306.08 90 top
NOREF#910  -  []  243.41 250.67 0 top
NOREF#911  -  []  91.4 165.7 0 top
NOREF#912  -  []  77.04 456.29 0 top
NOREF#913  -  []  101.4 298.06 90 top
NOREF#914  -  []  98.39 253.49 45 top
NOREF#915  -  []  221.02 250.67 0 top
NOREF#916  -  []  42.06 228.18 90 top
NOREF#917  -  []  67.55 203.78 0 top
NOREF#918  -  []  139.67 332.66 90 top
NOREF#919  -  []  58.37 267.15 315 top
NOREF#920  -  []  153.41 234.38 0 top
NOREF#921  -  []  34.6 185.73 90 top
NOREF#922  -  []  83.93 229.18 90 top
NOREF#923  -  []  229.67 165.7 90 top
NOREF#924  -  []  39.06 458.49 0 top
NOREF#925  -  []  191.02 250.67 0 top
NOREF#926  -  []  160.89 224.33 90 top
NOREF#927  -  []  123.43 164.05 90 top
NOREF#928  -  []  117.79 209.51 0 top
NOREF#929  -  []  190.89 237.58 90 top
NOREF#930  -  []  150.18 205.86 90 top
NOREF#931  -  []  26.31 123.41 90 top
NOREF#932  -  []  27.13 244.47 90 top
NOREF#933  -  []  98.86 188.93 0 top
NOREF#934  -  []  104.99 190.99 90 top
NOREF#935  -  []  225.92 284.14 90 top
NOREF#936  -  []  58.37 207.15 315 top
NOREF#937  -  []  134.51 263.06 90 top
NOREF#938  -  []  28.35 207.84 45 top
NOREF#939  -  []  194.51 263.06 90 top
NOREF#940  -  []  78.36 224.33 90 top
NOREF#941  -  []  192.06 284.94 90 top
NOREF#942  -  []  213.61 263.06 0 top
NOREF#943  -  []  180.84 300.88 90 top
NOREF#944  -  []  162.06 225.98 90 top
NOREF#945  -  []  91.4 168.9 90 top
NOREF#946  -  []  72.06 165.7 90 top
NOREF#947  -  []  113.38 284.14 90 top
NOREF#948  -  []  49.67 242.27 90 top
NOREF#949  -  []  59.29 267.51 45 top
NOREF#950  -  []  169.67 328.26 90 top
NOREF#951  -  []  217.23 199.24 90 top
NOREF#952  -  []  20.61 142.44 90 top
NOREF#953  -  []  14.93 458.49 0 top
NOREF#954  -  []  82.99 226.49 0 top
NOREF#955  -  []  37.46 294.19 0 top
NOREF#956  -  []  224.98 281.49 90 top
NOREF#957  -  []  85.97 240.62 90 top
NOREF#958  -  []  102.06 228.18 90 top
NOREF#959  -  []  198.36 164.05 90 top
NOREF#960  -  []  74.99 253.49 90 top
NOREF#961  -  []  31.4 304.88 90 top
NOREF#962  -  []  211.39 301.68 90 top
NOREF#963  -  []  237.13 170.1 90 top
NOREF#964  -  []  104.51 263.06 90 top
NOREF#965  -  []  85.94 293.34 0 top
NOREF#966  -  []  20.49 270.77 0 top
NOREF#967  -  []  145.97 326.61 90 top
NOREF#968  -  []  192.06 242.27 90 top
NOREF#969  -  []  127.55 454.29 90 top
NOREF#970  -  []  130.18 389.27 90 top
NOREF#971  -  []  166.47 249.87 0 top
NOREF#972  -  []  247.55 263.78 0 top
NOREF#973  -  []  181.39 168.9 90 top
NOREF#974  -  []  94.59 183.53 90 top
NOREF#975  -  []  76.47 301.68 0 top
NOREF#976  -  []  57.41 300.88 0 top
NOREF#977  -  []  195.06 263.86 90 top
NOREF#978  -  []  121.39 171.1 90 top
NOREF#979  -  []  143.93 290.34 90 top
NOREF#980  -  []  143.93 284.94 0 top
NOREF#981  -  []  165.92 300.88 90 top
NOREF#982  -  []  232.98 226.49 0 top
NOREF#983  -  []  169.94 300.88 0 top
NOREF#984  -  []  52.99 226.49 0 top
NOREF#985  -  []  161.02 250.67 0 top
NOREF#986  -  []  157.55 203.78 0 top
NOREF#987  -  []  188.86 139.12 0 top
NOREF#988  -  []  241.39 233.58 0 top
NOREF#989  -  []  123.61 263.06 0 top
NOREF#990  -  []  192.06 230.38 90 top
NOREF#991  -  []  239.29 267.51 45 top
NOREF#992  -  []  75.06 209.26 90 top
NOREF#993  -  []  94.59 244.47 90 top
NOREF#994  -  []  72.06 289.34 90 top
NOREF#995  -  []  61.4 233.58 0 top
NOREF#996  -  []  139.94 300.88 0 top
NOREF#997  -  []  168.36 224.33 90 top
NOREF#998  -  []  105.06 203.86 90 top
NOREF#999  -  []  125.3 456.29 0 top
NOREF#1000  -  []  207.97 458.49 0 top
NOREF#1001  -  []  74.99 223.99 0 top
NOREF#1002  -  []  198.48 310.08 0 top
NOREF#1003  -  []  145.88 237.76 90 top
NOREF#1004  -  []  196.47 301.68 90 top
NOREF#1005  -  []  136.47 231.38 90 top
NOREF#1006  -  []  235.81 19.69 90 top
NOREF#1007  -  []  160.9 237.58 90 top
NOREF#1008  -  []  17.99 256.49 90 top
NOREF#1009  -  []  243.41 189.73 0 top
NOREF#1010  -  []  30.67 176.51 90 top
NOREF#1011  -  []  151.39 249.87 0 top
NOREF#1012  -  []  53.93 309.28 0 top
NOREF#1013  -  []  194.98 190.99 90 top
NOREF#1014  -  []  37.55 203.78 0 top
NOREF#1015  -  []  217.23 259.24 90 top
NOREF#1016  -  []  33.26 115.65 0 top
NOREF#1017  -  []  203.93 288.14 90 top
NOREF#1018  -  []  244.59 181.33 90 top
NOREF#1019  -  []  169.67 185.73 90 top
NOREF#1020  -  []  19.67 244.47 90 top
NOREF#1021  -  []  128.86 139.12 90 top
NOREF#1022  -  []  184.59 228.18 90 top
NOREF#1023  -  []  75.06 263.86 90 top
NOREF#1024  -  []  116.96 208.69 0 top
NOREF#1025  -  []  147.41 300.88 0 top
NOREF#1026  -  []  83.38 225.18 90 top
NOREF#1027  -  []  88.65 206.87 45 top
NOREF#1028  -  []  213.41 189.73 0 top
NOREF#1029  -  []  29.39 269.51 0 top
NOREF#1030  -  []  192.06 183.53 90 top
NOREF#1031  -  []  167.98 278.49 0 top
NOREF#1032  -  []  131.02 250.67 0 top
NOREF#1033  -  []  127.55 263.78 0 top
NOREF#1034  -  []  169.19 392.33 90 top
NOREF#1035  -  []  252.06 287.14 90 top
NOREF#1036  -  []  214.59 225.98 90 top
NOREF#1037  -  []  56.96 208.69 0 top
NOREF#1038  -  []  119.32 268.11 315 top
NOREF#1039  -  []  123.41 189.73 0 top
NOREF#1040  -  []  221.4 298.06 90 top
NOREF#1041  -  []  203.93 284.94 0 top
NOREF#1042  -  []  42.61 189.73 0 top
NOREF#1043  -  []  135.92 284.14 90 top
NOREF#1044  -  []  209.32 208.11 315 top
NOREF#1045  -  []  236.95 456.29 0 top
NOREF#1046  -  []  164.98 221.49 90 top
NOREF#1047  -  []  139.94 164.9 0 top
NOREF#1048  -  []  213.41 250.67 0 top
NOREF#1049  -  []  46.47 307.08 90 top
NOREF#1050  -  []  38.51 105.11 0 top
NOREF#1051  -  []  61.2 115.65 0 top
NOREF#1052  -  []  31.4 249.87 0 top
NOREF#1053  -  []  178.37 207.15 315 top
NOREF#1054  -  []  147.13 181.33 90 top
NOREF#1055  -  []  58.12 106.22 0 top
NOREF#1056  -  []  226.69 14.59 90 top
NOREF#1057  -  []  228.36 240.62 90 top
NOREF#1058  -  []  212.82 456.29 90 top
NOREF#1059  -  []  215.02 300.88 0 top
NOREF#1060  -  []  76.47 288.14 90 top
NOREF#1061  -  []  109.94 164.9 0 top
NOREF#1062  -  []  192.06 225.98 90 top
NOREF#1063  -  []  235.7 258.99 90 top
NOREF#1064  -  []  151.01 266.29 90 top
NOREF#1065  -  []  198.36 283.29 90 top
NOREF#1066  -  []  92.16 18.69 0 top
NOREF#1067  -  []  173.93 288.14 90 top
NOREF#1068  -  []  205.94 293.34 0 top
NOREF#1069  -  []  229.67 330.46 90 top
NOREF#1070  -  []  67.55 263.78 0 top
NOREF#1071  -  []  87.13 244.47 90 top
NOREF#1072  -  []  128.73 112.84 0 top
NOREF#1073  -  []  11.63 164.05 90 top
NOREF#1074  -  []  230.48 270.77 0 top
NOREF#1075  -  []  228.36 224.33 90 top
NOREF#1076  -  []  145.97 240.62 90 top
NOREF#1077  -  []  26.58 127.15 0 top
NOREF#1078  -  []  154.59 225.98 90 top
NOREF#1079  -  []  74.99 281.49 90 top
NOREF#1080  -  []  105.06 267.06 90 top
NOREF#1081  -  []  220.89 237.58 90 top
NOREF#1082  -  []  42.06 230.38 90 top
NOREF#1083  -  []  91.4 233.58 0 top
NOREF#1084  -  []  218.31 300.88 90 top
NOREF#1085  -  []  190.78 112.83 0 top
NOREF#1086  -  []  46.47 231.38 90 top
NOREF#1087  -  []  220.89 224.33 90 top
NOREF#1088  -  []  224.98 250.99 90 top
NOREF#1089  -  []  226.47 229.18 90 top
NOREF#1090  -  []  59.02 107.84 90 top
NOREF#1091  -  []  121.39 165.7 0 top
NOREF#1092  -  []  175.97 326.61 90 top
NOREF#1093  -  []  226.47 290.34 90 top
NOREF#1094  -  []  224.98 253.49 90 top
NOREF#1095  -  []  49.52 17.15 0 top
NOREF#1096  -  []  33.97 14.59 90 top
NOREF#1097  -  []  233.93 173.3 0 top
NOREF#1098  -  []  85.97 326.61 90 top
NOREF#1099  -  []  121.01 206.29 90 top
NOREF#1100  -  []  212.81 18.69 0 top
NOREF#1101  -  []  58.35 207.84 315 top
NOREF#1102  -  []  105.92 300.88 90 top
NOREF#1103  -  []  173.93 284.94 90 top
NOREF#1104  -  []  203.93 231.38 90 top
NOREF#1105  -  []  113.93 284.94 0 top
NOREF#1106  -  []  123.43 240.62 90 top
NOREF#1107  -  []  132.06 228.18 90 top
NOREF#1108  -  []  203.93 284.94 90 top
NOREF#1109  -  []  211.01 266.29 90 top
NOREF#1110  -  []  159.69 83.81 0 top
NOREF#1111  -  []  118.65 266.87 45 top
NOREF#1112  -  []  77.46 112.09 90 top
NOREF#1113  -  []  88.37 207.15 315 top
NOREF#1114  -  []  103.42 454.29 90 top
NOREF#1115  -  []  221.02 336.66 0 top
NOREF#1116  -  []  91.01 266.29 90 top
NOREF#1117  -  []  30.19 265.47 90 top
NOREF#1118  -  []  162.06 165.7 90 top
NOREF#1119  -  []  229.67 167.9 90 top
NOREF#1120  -  []  147.79 269.51 0 top
NOREF#1121  -  []  64.59 225.98 90 top
NOREF#1122  -  []  164.51 203.06 90 top
NOREF#1123  -  []  24.41 392.33 90 top
NOREF#1124  -  []  73.01 240.57 90 top
NOREF#1125  -  []  151.39 292.54 0 top
NOREF#1126  -  []  57.13 181.33 90 top
NOREF#1127  -  []  113.93 290.34 90 top
NOREF#1128  -  []  27.13 170.1 90 top
NOREF#1129  -  []  225.06 269.26 90 top
NOREF#1130  -  []  65.02 284.14 0 top
NOREF#1131  -  []  132.06 284.94 90 top
NOREF#1132  -  []  107.99 196.49 90 top
NOREF#1133  -  []  124.59 225.98 90 top
NOREF#1134  -  []  237.13 246.67 90 top
NOREF#1135  -  []  37.55 263.78 0 top
NOREF#1136  -  []  188.86 301.68 0 top
NOREF#1137  -  []  184.59 287.14 90 top
NOREF#1138  -  []  134.98 283.99 0 top
NOREF#1139  -  []  164.55 18.69 0 top
NOREF#1140  -  []  100.89 179.68 90 top
NOREF#1141  -  []  202.98 248.49 0 top
NOREF#1142  -  []  209.38 209.51 0 top
NOREF#1143  -  []  87.13 303.88 90 top
NOREF#1144  -  []  35.02 284.14 0 top
NOREF#1145  -  []  207.41 138.32 0 top
NOREF#1146  -  []  52.99 248.49 0 top
NOREF#1147  -  []  53.38 225.18 90 top
NOREF#1148  -  []  61.4 301.68 0 top
NOREF#1149  -  []  213.43 179.68 90 top
NOREF#1150  -  []  91.01 206.29 90 top
NOREF#1151  -  []  91.4 292.54 0 top
NOREF#1152  -  []  233.93 229.18 90 top
NOREF#1153  -  []  193.01 240.57 90 top
NOREF#1154  -  []  153.41 174.1 0 top
NOREF#1155  -  []  94.59 242.27 90 top
NOREF#1156  -  []  83.38 284.14 90 top
NOREF#1157  -  []  238.65 266.87 45 top
NOREF#1158  -  []  72.06 181.33 90 top
NOREF#1159  -  []  37.24 199.24 90 top
NOREF#1160  -  []  58.35 207.84 45 top
NOREF#1161  -  []  168.36 240.62 90 top
NOREF#1162  -  []  23.93 284.94 90 top
NOREF#1163  -  []  15.07 283.29 90 top
NOREF#1164  -  []  151.01 206.29 90 top
NOREF#1165  -  []  112.99 248.49 90 top
NOREF#1166  -  []  123.41 234.38 0 top
NOREF#1167  -  []  115.94 293.34 0 top
NOREF#1168  -  []  184.59 284.94 90 top
NOREF#1169  -  []  163.42 19.69 90 top
NOREF#1170  -  []  248.39 253.49 45 top
NOREF#1171  -  []  16.15 127.85 0 top
NOREF#1172  -  []  98.86 301.68 90 top
NOREF#1173  -  []  146.96 268.69 0 top
NOREF#1174  -  []  27.13 303.88 90 top
NOREF#1175  -  []  19.67 246.67 90 top
